# Altium PCB WhiteRHINO_0v1.PcbDoc (part 9 of 10) (continued)
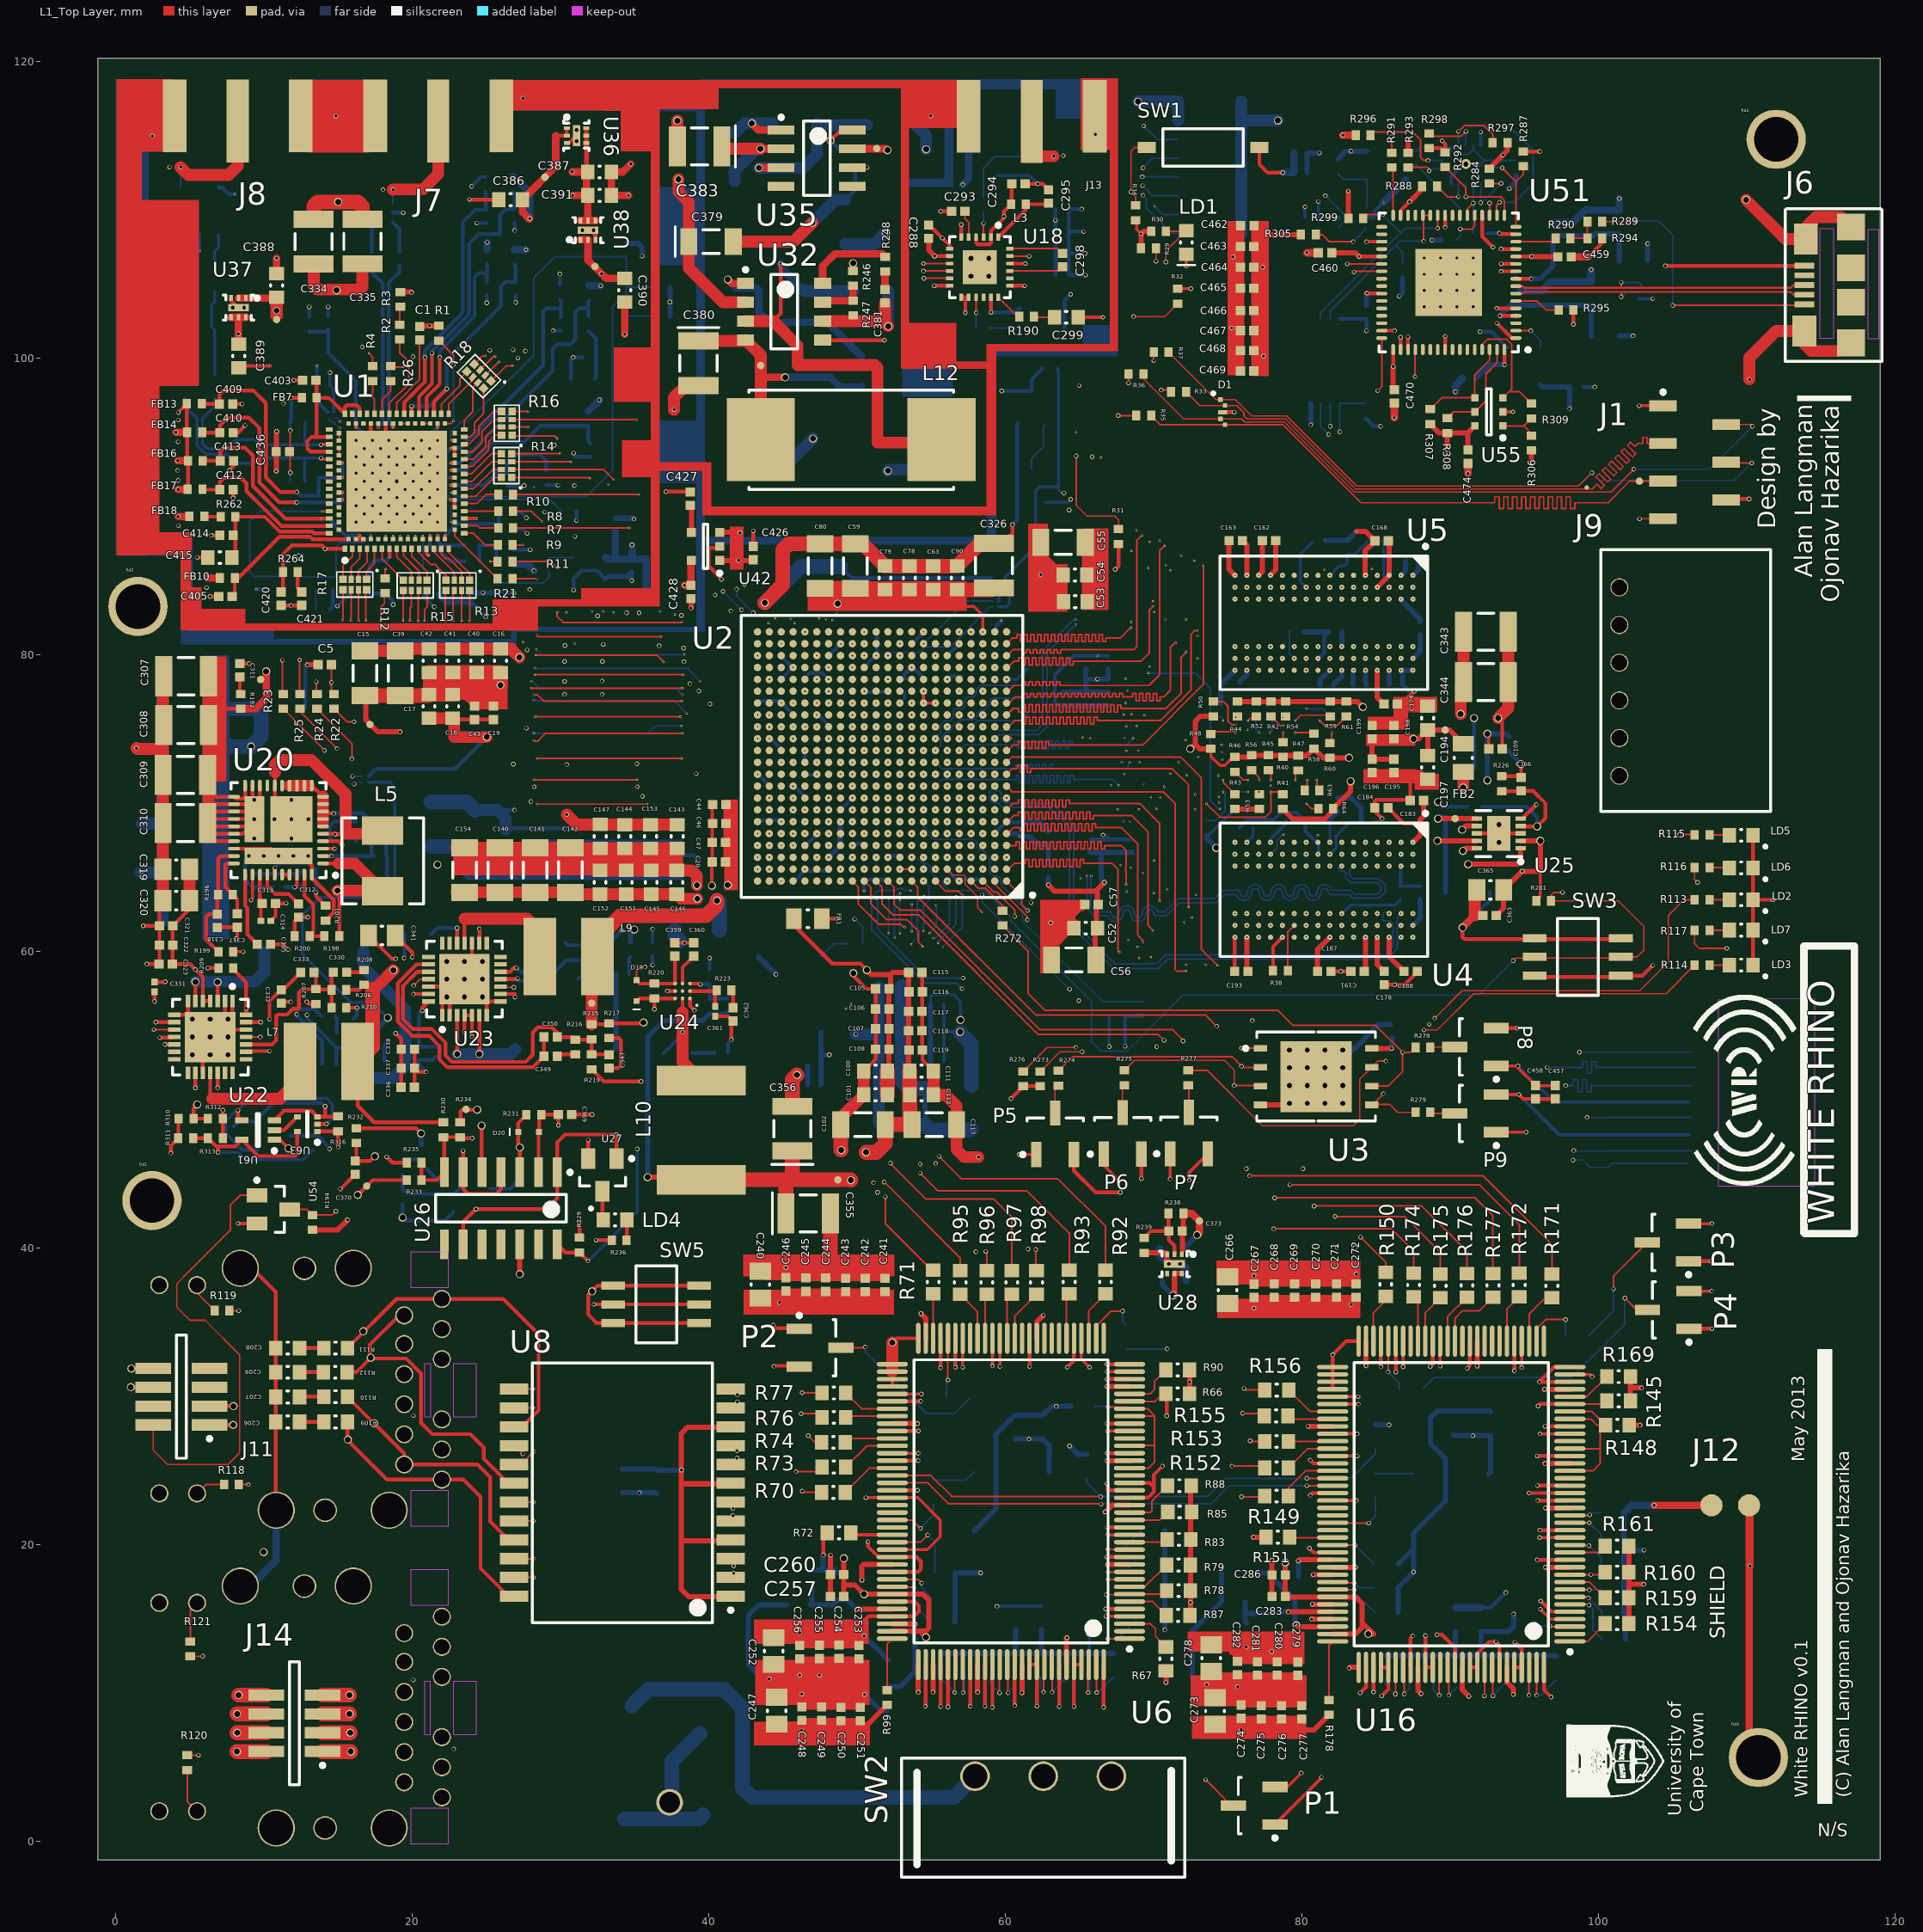
[diagram p0: L1_Top Layer view]
## Nets (pads, with @x,y where several pads share a name; then routed paths per layer and width w, separated by ;. In a path a pad name is that pad's centre, name@x,y a point inside that pad or via, vN(x,y) a via of type N, cw(c..) or ccw(c..) an arc to the next point about the centre after c; other vN are vias at no path point) (continued)
  L1_Top Layer w0.2: v1(44.904,80.704) U2.AA20@44.904,80.714 ; U2.U18@46.504,77.514 v1(46.511,77.514) ; v2(50.613,23.137) U6.83@52.398,23.137 54.113,23.137 55.625,21.625 55.625,20.5 54.762,19.637 U6.90@52.398,19.637 ; U6.77@52.398,26.137 v2(54.138,26.137) ; U6.69@52.398,30.137 v2(54.362,30.137) ; U2.U8@54.504,77.514 v1(54.504,76.714) v1(55.304,76.714) ; C90.2@56.775,84.35 56.775,83.35 56.887,83.238 57.888,83.238 58.504,82.621 v1(58.504,81.514) ; v2(57.148,31.923) U6.58@57.148,33.887 ; v2(59.648,31.977) U6.53@59.648,33.887 ; v2(60.95,46.275) P5.1@62.105,46.275 ; U6.42@65.148,33.887 65.148,32.477 v2(65.7,31.925) ; P6.1@66.655,46.3 66.655,45.545 v2(67.675,44.525) ; v2(66.812,15.137) U6.4@68.398,15.137 ; v2(66.887,31.637) U6.37@68.398,31.637 ; v2(66.912,20.637) U6.15@68.398,20.637 ; v2(66.912,27.637) U6.29@68.398,27.637 ; R34.2@68.875,109.35 68.875,108.65 v2(69.175,108.35) ; v2(71.13,44.63) P7.1@71.13,46.325 ; R32.2@71.65,104.65 v2(72.525,104.65) ; P1.3@78.2,3.645 79.045,3.645 v3(79.975,4.575) ; v2(80.525,19.725) 80.801,19.449 U16.90@82.093,19.449 ; U16.83@82.093,22.949 v2(83.699,22.949) ; U16.77@82.093,25.949 v2(83.749,25.949) ; U16.69@82.093,29.949 v2(83.799,29.949) ; v2(86.843,31.957) U16.58@86.843,33.699 ; v2(89.343,32.007) U16.53@89.343,33.699 ; P9.1@93.125,47.78 v2(95.145,47.78) ; P8.1@93.125,52.255 v2(94.595,52.255) 94.595,52.119 C458.1@95.781,50.933 95.789,50.925 C457.1@97.1,50.925 ; v2(94.843,31.907) U16.42@94.843,33.699 ; R281.2@95.825,63.375 96.1,63.65 v4(96.1,67.425) ; v2(96.049,20.449) U16.15@98.093,20.449 ; v2(96.076,27.449) U16.29@98.093,27.449 ; v2(96.1,15.625) 96.776,14.949 U16.4@98.093,14.949 ; U16.37@98.093,31.449 99.451,31.449 v3(99.6,31.3) ; v2(102.76,96.76) J1.1@104.375,96.76 ; P3.3@106.1,41.62 v3(107.67,41.62) ; P4.3@106.125,37.07 v3(107.645,37.07)
  L1_Top Layer w0.253: v3(95.325,23.45) v3(95.325,23.45) U16.21@98.093,23.449
  L1_Top Layer w0.254: v4(16.35,43.55) 17.35,44.55 R233.1@19.65,44.55 ; R229.2@31.3,40.675 v2(31.3,41.725) ; v2(32.425,40.5) R236.2@33.475,40.5 ; v2(44.4,32) 44.43,32.03 P2.3@46.375,32.03 ; v2(55.25,106.85) U18.8@56.275,106.85 ; v3(66.875,24.096) 66.938,24.033 66.938,23.637 U6.21@68.398,23.637 ; v2@84.425,104.325 U51.42@85.4,104.325 ; U51.50@86.675,100.55 v2(86.675,101.375) ; U51.31@86.675,109.6 86.675,109.916 v2(87.275,110.516) ; U51.56@89.675,100.55 v2(89.675,101.45) ; U51.20@92.175,109.6 92.175,108.175 v2(92.9,107.45)
  L1_Top Layer w0.35: R194.2@13.3,41.2 15,41.2 15.65,41.85 v3(15.65,41.875) ; U42.1@40.75,86.325 v2(42.025,86.325) 43.025,86.325 C426.2@43.075,86.275 ; U42.3@40.75,88.225 42.1,88.225 v2(42.125,88.2) ; U8.1@41.5,16.49 41.475,16.465 38.66,16.465 38.175,16.95 38.175,20.225 ; U8.4@41.5,20.3 41.425,20.225 38.175,20.225 ; U8.7@41.5,24.11 41.465,24.075 38.175,24.075 ; U8.10@41.5,27.92 41.475,27.895 38.595,27.895 38.175,27.475 v2(38.175,25) 38.175,24.075 ; C240.2@43.5,36.6 44.75,36.6 C246.2@45.225,37.075 ; v2(44.775,36.3) 45.2,36.3 45.225,36.275 C246.2@45.225,37.075 ; C241.2@51.9,37.025 51.85,37.075 C246.2@45.225,37.075 ; U2.V11@52.104,78.314 v1(52.104,78.321) ; U2.AA10@52.904,80.714 v1(52.914,80.714) ; C288.1@54.85,108.05 54.85,107.25 v2(55.25,106.85) ; U2.Y7@55.304,79.914 v1(55.311,79.914) ; R29.2@69.175,107.375 v2(69.175,108.35) 69.35,108.525 R30.2@69.85,108.525 ; v2(70.85,10.675) R67.2@70.85,11.475 ; v4(71.325,36.775) 71.425,36.875 U28.5@71.425,38.25 U28.6@71.925,38.25 ; R66.1@72.45,30.15 v2(72.45,30.95) R90.1@72.45,31.75 ; C266.2@75,38.025 76.302,38.025 C267.2@76.791,37.536 ; C469.2@76.775,99.1 76.782,99.107 C464.2@76.782,106.1 ; C464.2@76.775,106.1 C464.2@76.782,106.1 ; C463.2@76.775,107.5 C463.2@76.782,107.5 ; C462.2@76.782,108.905 C463.2@76.782,107.5 ; v2(76.791,38.116) C267.2@76.791,37.536 ; v2(77.375,106.1) C464.2@76.782,106.1 ; 77.6,108.3 R305.2@79.95,108.3 ; R299.2@83.15,109.4 v2(83.15,111.225) ; v3(83.675,38.225) C272.2@83.675,37.55 83.661,37.536 C267.2@76.791,37.536 ; v2(84.4,104.35) v2@84.425,104.325 ; U3.8@84.725,53.43 v8(86.07,53.43) ; R293.2@87.175,113.825 v2(87.175,114.75) ; v2(87.275,110.516) 88.125,111.366 R288.2@88.125,111.55 ; R307.2@88.675,95.525 89.275,94.925 R308.2@89.825,94.925 ; v2(89.825,93.8) R308.2@89.825,94.925 ; v4(90.825,68.175) 91.075,68.425 U25.7@91.825,68.425 ; v4(90.875,66.75) 91.05,66.925 U25.10@91.825,66.925 ; C474.2@91.225,93.775 91.2,93.8 91.2,94.925 ; U55.6@91.675,95.4 91.2,94.925 ; R284.2@92.65,112.75 v2(93.562,113.663) 93.875,113.975 R297.2@93.875,114.5 ; C363.2@93.125,62.4 93.625,62.9 C365.2@93.625,64.125 v2(94.875,65.375) 96.1,65.375 v4(96.1,67.425) U25.2@94.775,67.425 ; v2(95.5,92.925) R306.2@95.5,93.75 ; R154.1@102.075,14.65 R159.1@102.075,16.4 102.075,17.3 ; R161.1@102.075,19.875 R160.1@102.075,18.125 102.075,17.3 ; R145.1@102.175,29.675 102.175,30.55 ; R169.1@102.175,31.3 102.175,30.55 ; v2(102.925,30.55) 102.175,30.55 ; v2(103.075,17.3) 102.075,17.3 ; 38.175,20.225 38.175,24.075 ; C464.2@76.782,106.1 C463.2@76.782,107.5 ; R308.2@89.825,94.925 91.2,94.925
  L1_Top Layer w1: v4(48.712,83.412) 48.712,84.45 C59.2@49.9,84.45 50,84.35 C79.2@51.9,84.35 C78.2@53.55,84.35 C63.2@55.15,84.35 C90.2@56.775,84.35 59.125,84.35 C326.2@59.25,84.475
  L3_Critical w0.254: v3(66.875,24.096) v3@66.896,24.096
  L10_Critical w0.254: v3(14.475,99) 44.325,99 52.175,106.85 v2(55.25,106.85)
  L7_Non-Critical w0.2: v3(14.475,99) 16.325,97.15 30.2,97.15 39.15,88.2 v2(42.125,88.2) ; v1(55.304,76.714) v1(56.904,76.714)
  L7_Non-Critical w0.254: v1(56.104,66.314) 56.593,65.825 58.193,65.825 v1(58.504,65.514)
  L7_Non-Critical w1: v4(16.35,43.55) 16.35,53.475 v4(18.375,55.5)
  L12_Bottom Layer w0.2: v3(14.475,99) C485.2@14.475,98.1 14.725,97.85 U56.A1@14.725,96.325 ; U58.A1@17.075,71.375 C487.2@18.525,71.375 18.835,71.065 18.835,64.148 18.287,63.6 13.805,63.6 12.625,62.42 12.625,59.792 15.892,56.525 17.325,56.525 v4@18.375,55.475 ; v1(52.904,76.714) 53.225,77.035 C96.2@53.225,77.45 ; C83.2@54.975,56.387 54.975,56.925 55.125,57.075 56.525,57.075 57,56.6 v4(57,55.35) ; U57.A1@59.575,83.176 U57.A1@59.575,83.2 60.1,83.2 60.3,83.4 60.3,84.8 C486.2@59.95,85.15 62.05,87.25 62.05,91.033 62.317,91.3 63.6,91.3 ; R250.2@63.525,99.275 63.6,99.2 R249.2@63.6,94.025 63.6,91.3 ; v2(63.975,90.875) 63.8,90.875 63.6,91.075 63.6,91.3 ; v3(65.625,13.925) 65.698,13.852 R101.2@65.698,12.65 ; v2(67.025,53.55) R283.2@67.025,55.6 ; C473.2@81.125,109.5 v3(81.125,110.525) ; v2(94.595,52.255) 97.035,49.815 J5.4@106.1,49.815
  L12_Bottom Layer w0.254: U49.14@92.075,114.35 v2(92.075,115.225)
  L12_Bottom Layer w0.35: R202.2@17.2,53.75 17.2,54.3 v4@18.375,55.475 ; C205.2@34.2,25.075 36.425,25.075 C204.2@36.5,25 v2(38.175,25) ; U48.4@47.575,54.535 47.575,52.925 ; C455.2@47.6,50.975 47.6,52.25 C454.2@47.575,52.275 47.575,52.925 ; v2(48.15,53) 47.65,53 47.575,52.925 ; C89.2@48.9,84.325 48.975,84.25 C70.2@55.475,84.25 ; C64.2@54.6,48.275 C87.2@54.6,50.725 54.975,51.1 C65.2@54.975,52.575 C84.2@54.975,55.12 C83.2@54.975,56.387 ; R104.2@55.773,12.65 R108.2@57.273,12.65 R103.2@59,12.65 R107.2@60.7,12.65 ; C200.2@60.675,27.1 v2(61.613,27.1) C201.1@62.55,27.1 62.988,26.662 62.988,26.075 ; C203.2@60.7,14.225 R107.2@60.7,12.65 ; C202.2@62.45,14.225 62.45,12.7 R102.2@62.4,12.65 ; U7.4@62.988,24.887 62.988,26.075 ; 63.013,26.05 62.988,26.075 ; v2(64.35,26.625) 64.925,26.05 R68.2@65.5,26.05 ; R105.2@67.3,12.65 R101.2@65.698,12.65 R106.2@64.025,12.65 R102.2@62.4,12.65 ; C372.2@70.6,37.775 70.6,37.5 v4(71.325,36.775) ; v2(70.775,14.225) R75.1@70.775,15.2 R81.1@70.775,19.275 R82.1@70.775,20.925 ; C475.2@80.375,112.475 C476.2@80.375,113.8 v2(81.2,113.8) ; v2(80.625,95.475) U52.8@80.625,96.925 ; C473.2@81.125,109.5 81.2,109.425 U53.5@82.45,109.425 ; R304.2@82.475,113.4 83,113.925 v2(83.325,113.925) U21.5@84.4,113.925 ; C471.2@84.375,103.525 84.375,104.325 v2(84.4,104.35) ; R147.2@84.975,28.05 v2(85.9,28.05) ; R183.2@85.65,12.5 R187.2@87.275,12.5 R186.2@90.425,12.5 ; v8(86.07,53.43) 86.07,54.12 C157.2@86.1,54.15 ; v2(86.575,104.15) 86.8,104.375 R300.2@86.8,105.35 ; v2(88.775,107.925) R302.2@89.4,107.925 ; C262.2@90.225,27.375 90.275,27.325 v2(91.55,27.325) C263.1@92.732,27.325 92.732,24.855 U17.4@92.635,24.758 ; C265.2@90.375,14.125 90.375,12.55 R186.2@90.425,12.5 ; R186.2@90.475,12.45 R186.2@90.425,12.5 ; R181.2@92.325,12.45 R181.2@92.275,12.5 ; v2(94,111.4) 94.45,111.85 R303.2@94.45,112.3 ; v2(94.3,15.3) R146.2@94.3,14.45 93.975,14.125 C264.2@92.1,14.125 92.1,12.675 R181.2@92.275,12.5 ; U50.4@96.1,98.155 96.23,98.025 C472.2@98.075,98.025 v3(98.075,96.575) ; R184.2@97.175,12.45 97.125,12.5 R181.2@92.275,12.5 ; FB28.1@101.425,101.475 v2(102.35,101.475) ; FB27.1@103.325,106.525 v2(103.325,107.7) ; R107.2@60.7,12.65 R102.2@62.4,12.65 ; R186.2@90.425,12.5 R181.2@92.275,12.5
  L12_Bottom Layer w1: v4(48.712,83.412) 48.9,83.6 C89.2@48.9,84.325 ; C88.2@53.078,57.584 53.078,52.754 C60.2@53.058,52.734 53.058,51.217 53.55,50.725 C87.2@54.6,50.725 ; C64.2@54.6,48.275 54.925,47.95 C327.2@57.725,47.95
  other v1: 52.904,64.714 50.504,65.514 53.704,67.114 51.304,67.914 54.511,77.514 44.104,78.314 49.704,79.114 57.704,79.114 47.304,79.914 50.504,81.514
  other v2: 77.425,100.1
VCC5V0: C301.2 C302.2 C303.2 C304.2 C306.2 C319.2 C320.2 C321.2 C322.2 C323.2 C324.1 C336.2 C337.2 C338.2 C339.1 C340.2 C341.2 C353.1 C354.2 D19.1 D20.1 D21.1 L5.2 R193.2 R198.2 R220.2 R231.2 R232.2 R237.2 U20.1 U22.4 U22.5 U22.9 U22.16 U22.19 U22.27 U23.4 U23.5 U23.9 U23.16 U23.19 U23.27 U24.A3 U26.3 | length 75.5
  L1_Top Layer w0.254: v2(2.725,55.2) U22.9@3.975,55.2 ; C320.2@5,63.4 5,62.825 C321.2@3.875,61.7 3.85,61.675 C323.2@3.85,59.125 5.025,59.125 v2(5.4,58.75) 5.902,58.248 5.902,56.627 U22.5@5.9,56.625 U22.4@6.4,56.625 ; v2(5.397,50.772) 5.4,50.775 U22.16@5.4,51.775 ; v2(6.9,50.775) U22.19@6.9,51.775 ; U22.27@8.825,55.2 v2(9.8,55.2) ; U20.1@14,65.9 15.05,65.9 ; v4(14.975,64.075) 15.1,63.95 R198.2@15.1,61 ; R232.2@16.25,48.05 20.275,48.05 v4(20.625,47.7) ; C341.2@18.875,61.05 20.025,59.9 v2(20.025,59.575) ; v2(18.9,54.45) 19.275,54.075 C338.2@19.275,53.375 C337.2@19.275,52.1 19.275,50.819 C336.2@19.269,50.813 ; v2(20.1,57.1) U23.27@21.125,57.1 ; U23.19@23.05,60.525 v2(23.05,61.55) ; v2(23.55,54.5) U23.4@23.55,55.675 U23.5@24.05,55.675 v2(24.05,54.225) ; U23.16@24.55,60.525 v2(24.55,61.5) ; U23.9@25.975,57.1 26.95,57.1 v2(26.95,56.875) ; U26.3@27.27,45.075 v4(27.27,46.755) 27.175,46.85 D20.1@27.175,47.8 27.175,48.4 R231.2@27.725,48.95 ; D19.1@35.15,56.625 35.325,56.8 R220.2@36.35,56.8 ; v2(36.35,56.075) R220.2@36.35,56.8 ; U24.A3@37.75,56.8 R220.2@36.35,56.8
  L1_Top Layer w0.8: C320.2@5,63.4 C320.2@5,63.4 C319.2@5.001,65.498 ; v4(14.975,64.075) L5.2@17.975,64.075 ; 15.05,65.9 16.15,65.9 L5.2@17.975,64.075 ; L5.2@18.025,64.025 L5.2@17.975,64.075
  L12_Bottom Layer w0.254: v4@14.975,64.05 18.275,64.05 18.325,64.1 C306.2@18.325,66.4 18.275,66.45 R193.2@18.275,67.575 ; C340.2@21.3,61.15 21.7,61.55 v2(23.05,61.55) ; D21.1@25.275,43.975 26.625,43.975 27.27,44.62 v4(27.27,46.755) ; C354.2@36.225,60.575 v2(36.225,61.475)
  L12_Bottom Layer w0.35: R237.2@20.625,46.95 v4(20.625,47.7)
  L12_Bottom Layer w1: C303.2@6.175,75.3 7.7,73.775 v4(9.15,73.775) 9.825,74.45 C353.1@9.825,76.325 7.25,76.325
VCC_1V8_LM: C386.2 FB8.2 FB9.2 FB10.2 FB11.2 FB15.2 pad.@28.975,112.175 U36.1 U36.2 | length 15.6
  L1_Top Layer w0.254: 29.7,114.975 U36.2@30.45,114.975 U36.1@30.45,115.475
  L1_Top Layer w0.5: v2(6.175,85.15) FB10.2@7.05,85.15 ; v3(27.95,109.375) 27.925,109.35 27.45,109.825 C386.2@27.45,110.65 29.7,112.9 29.7,114.975
  L12_Bottom Layer w0.5: FB15.2@26.8,112.175 26.895,112.175 27.95,111.12 v3(27.95,109.375) ; FB9.2@26.9,86.075 27.8,86.075 v2(28.225,85.65) ; FB11.2@26.925,107.275 v2(27.7,107.275) ; FB8.2@31.9,96.4 v2(32.65,97.15)
VCC_1V8_RXLO_LM: C390.2 FB20.1 pad.@32.35,106.15 U38.1 U38.2 | length 5.6
  L1_Top Layer w0.5: U38.1@31.375,107.95 U38.2@31.875,107.95 31.875,106.575 v2(32.775,105.675) 33.1,105.35 C390.2@34.35,105.35
  L12_Bottom Layer w0.5: FB20.1@31.95,104.85 v2(32.725,104.85)
VCC_1V8_TXLO_LM: C388.2 FB18.2 pad.@10.875,102.575 U37.1 U37.2 | length 4.2
  L1_Top Layer w0.5: v2(4.25,89.3) FB18.2@5,89.3 ; U37.2@8.306,104.025 U37.1@8.806,104.025 C388.2@10.875,104.025 ; v13(10.875,103.175) C388.2@10.875,104.025 ; C388.2@10.875,104.075 C388.2@10.875,104.025
VCC_2V8_TCXO: C428.2 C429.2 C432.2 U42.5 U43.6 U44.6 | length 25.1
  L1_Top Layer w0.5: v2(38.375,84.65) C428.2@38.825,84.65 38.825,86.3 U42.5@38.85,86.325
  L7_Non-Critical w0.5: v2(34.85,87.375) 35.3,87.375 38.025,84.65 v2(38.375,84.65)
  L12_Bottom Layer w0.3: U43.6@25.925,83.5 35.8,83.5
  L12_Bottom Layer w0.5: U44.6@33.05,86.538 33.163,86.425 C432.2@34.825,86.425 ; 33.7,86.5 33.725,86.525 C429.2@33.725,88.275 ; v2(34.85,87.375) 34.85,86.45 C432.2@34.825,86.425 ; 35.8,83.5 35.8,86.425 C432.2@34.825,86.425
VCC_3V3_LM: C289.2 C290.2 C291.2 C292.1 C294.1 C384.1 C387.2 C389.2 C391.2 C420.2 C436.2 FB7.2 FB12.2 FB13.2 FB14.2 FB16.2 FB17.2 FB19.2 FB21.2 FB22.2 FB23.2 FB24.2 L3.1 L13.2 L14.2 L15.2 pad.@51.35,114.1 R5.2 R6.2 R264.2 R265.1 U1.1 U1.12 U1.18 U18.2 U18.4 U18.17 U18.22 U19.4 U35.7 U36.4 U36.5 U36.6 U37.4 U37.5 U37.6 U38.4 U38.5 U38.6 | length 103.7
  L1_Top Layer w0.115: v2(11.8,92.25) 11.8,93.625 C436.2@11.75,93.675 11.8,93.725 11.8,94.725 v2(11.8,95.1)
  L1_Top Layer w0.254: v2(4.25,96.3) 4.25,96.325 FB13.2@4.825,96.9 4.825,95 FB14.2@4.85,94.975 4.85,93.1 FB16.2@4.9,93.05 4.9,91.15 FB17.2@4.875,91.125 ; C420.2@11.175,84.2 11.3,84.325 R264.2@11.3,85.55 11.3,86.75 11.9,87.35 13.912,87.35 v2(14.15,87.112) U1.1@15.481,87.112 ; v2(11.85,97.3) FB7.2@12.575,97.3 ; U1.12@20.981,87.112 20.981,86.794 v1(21.1,86.675) ; U1.18@23.531,89.162 v1(24.313,89.162) ; U18.4@58.05,108.125 58.05,107.75 58.152,107.648 58.973,107.648 59.05,107.725 U18.2@59.05,108.125 59.05,108.55 59.925,109.425 v2(59.925,109.525) 59.925,109.875 L3.1@60.4,110.35 60.45,110.4 C294.1@60.45,111.725 ; v2(59.05,103.05) U18.17@59.05,104.075 ; U18.22@60.325,106.35 v2(61.375,106.35)
  L1_Top Layer w0.3: U36.4@31.75,114.475 U36.5@31.75,114.975 U36.6@31.75,115.475 ; C387.2@31.775,112.525 31.775,114.325
  L1_Top Layer w0.5: v2(4.1,94.975) FB14.2@4.85,94.975 ; v2(4.2,93.05) FB16.2@4.9,93.05 ; v2(4.225,91.125) FB17.2@4.875,91.125 ; U37.4@7.806,102.725 U37.5@8.306,102.725 ; C389.2@8.325,100.925 8.306,100.944 v2(8.306,101.606) U37.5@8.306,102.725 ; U37.6@8.806,102.725 U37.5@8.306,102.725 ; v2(30.825,112.525) C387.2@31.775,112.525 ; v2(30.85,110.95) C391.2@31.85,110.95 ; U38.6@31.375,109.25 U38.5@31.875,109.25 ; C387.2@31.85,112.525 C387.2@31.775,112.525 ; U38.4@32.375,109.25 U38.5@31.875,109.25 ; U35.7@49.7,114.085 51.99,114.085 v4(52.075,114) ; C387.2@31.775,112.525 31.775,111.025 C391.2@31.85,110.95 ; C391.2@31.85,110.95 31.85,109.275 U38.5@31.875,109.25
  L7_Non-Critical w0.254: v2(11.85,97.3) 11.648,97.502 11.648,101.998 v2(13.075,103.425)
  L7_Non-Critical w0.8: v4(52.075,114) 52.075,108.55 v4(51.95,108.425) 49.05,108.425 48.975,108.35 48.975,95.5 v4(52.1,92.375)
  L12_Bottom Layer w0.115: L14.2@11.8,91.675 v2(11.8,92.25) ; v2(11.8,95.1) L15.2@11.8,95.675
  L12_Bottom Layer w0.254: L15.2@11.8,95.675 11.85,95.725 v2(11.85,97.3) ; FB12.2@13.075,102.75 v2(13.075,103.425) ; FB24.2@17.125,84.1 R5.2@18.2,84.1 18.725,83.575 v2(18.725,83.35) ; v2(24.025,111.55) 24.65,112.175 FB23.2@24.95,112.175 ; FB22.2@26.85,88.45 27.475,88.45 v2(27.775,88.15) ; FB21.2@29.05,91.4 v2(29.85,91.4) ; FB19.2@29.975,104.9 v2(29.975,105.65) ; v2(31.1,89.025) R6.2@31.1,89.65 ; v2(59.05,103.05) 60.69,103.05 U19.4@60.985,103.345 ; v2(65.175,110.025) C292.1@64.3,110.025 C291.2@64.3,108.5 ; v2(65.3,108.5) C291.2@64.3,108.5 ; v2(65.4,107.025) C290.2@64.3,107.025 ; v2(65.425,105.575) C289.2@64.3,105.575 C290.2@64.3,107.025 ; C290.2@64.3,107.025 C291.2@64.3,108.5
  L12_Bottom Layer w0.5: R265.1@25.075,107.275 v2(25.075,107.775)
  L12_Bottom Layer w0.8: C384.1@49.225,107.65 51.175,107.65 v4(51.95,108.425) ; v4(52.1,92.375) 52.175,92.45 L13.2@55.75,92.45
VCC_6V0_SG: C380.1 C383.1 D25.2 D27.2 J10.7 J10.8 L12.2 pad.@43.525,99.475 R246.2 U32.4 U35.2 | length 29.1
  L1_Top Layer w0.5: v4(43.5,114.085) U35.2@44.9,114.085 ; 43.525,98.825 43.675,98.675 v4(45.175,98.675) ; R246.2@49.75,105.85 v4(49.75,106.375)
  L1_Top Layer w0.8: C380.1@39.325,101.125 42.43,101.125 U32.4@42.5,101.195 43.525,100.17 43.525,98.825 L12.2@43.525,94.475 ; C383.1@40.9,114.25 41.065,114.085 v4(43.5,114.085)
  L12_Bottom Layer w0.5: v4(45.175,98.675) 48.225,98.675 48.9,98 50.25,98 D25.2@50.325,98.075
  L12_Bottom Layer w0.8: D27.2@41.75,111.91 41.75,112.6 43.235,114.085 v4(43.5,114.085) ; v9(68.97,117.27) J10.8@71.675,117.27 J10.7@71.675,116
VCC_PLL: C156.2 FB1.1 U2.H10 | length 11.1
  L1_Top Layer w0.254: FB1.1@47.65,62.175 v2(48.65,62.175)
  L7_Non-Critical w0.163: v2(48.65,62.175) 48.65,63.297 50.875,65.522 50.875,67.122 51.661,67.908 51.661,69.433 52.541,70.314 v1(52.904,70.314)
VMODE_0: R273.1 U2.D5 | length 21.3
  L1_Top Layer w0.1: R273.1@62.375,51.875 63.7,53.2 v2(65.2,53.2)
  L4_Critical w0.1: v2(61.75,63.25) 62.225,62.775 62.225,59.975 64.975,57.225 v2(64.975,56.65)
  L10_Critical w0.1: v2(64.975,56.65) 65.2,56.425 v2(65.2,53.2)
  L9_Critical w0.1: v1(56.904,67.114) 57.244,67.114 61.108,63.25 v2(61.75,63.25)
VMODE_1: R276.1 U2.E5 | length 23
  L1_Top Layer w0.1: R276.1@61.225,51.875 62.85,53.5 v2(64.775,53.5)
  L10_Critical w0.1: v1(56.904,67.914) 57.275,67.543 57.275,66.95 57.525,66.7 58.75,66.7 58.9,66.55 58.9,64.25 v2(58.45,63.8) ; v2(64.35,57.425) 64.35,56.65 64.775,56.225 v2(64.775,53.5)
  L12_Bottom Layer w0.1: v2(58.45,63.8) 58.45,63.325 v2(64.35,57.425)
VREF_3V0: D22.3 R227.2 R237.1 | length 3.3
  L12_Bottom Layer w0.254: R227.2@19.375,45.9 19.425,45.95 R237.1@20.625,45.95 20.625,45.675 D22.3@21.85,44.45
VU_12V0: C307.2 C308.2 C309.2 C310.2 C379.1 pad.@9.8,78.3 R192.1 R310.2 R311.2 SW2.2 U20.18 U20.19 U20.20 U20.21 U20.22 U20.23 U20.24 U20.25 U20.26 U20.27 U20.42 U32.2 | length 115.8
  L1_Top Layer w0.254: v2(3.75,46.375) 3.75,46.875 R311.2@4.25,47.375 4.25,48.675 R310.2@4.275,48.7 ; C310.2@6.225,68.625 6.45,68.4 U20.25@8,68.4 8.89,68.4 v11(9.375,68.885) ; C310.2@6.275,69.9 U20.22@8,69.9 8.675,69.9 U20.42@9.175,69.4 ; 6.35,70.4 U20.21@8,70.4 8.125,70.275 8.75,70.275 U20.20@8.75,71.15 ; C310.2@6.425,68.9 U20.24@8,68.9 9.36,68.9 v11(9.375,68.885) ; C310.2@6.45,69.4 U20.23@8,69.4 U20.42@9.175,69.4 ; C310.2@6.525,67.9 U20.26@8,67.9 8.6,67.9 9.375,68.675 v11(9.375,68.885) ; C310.2@6.6,67.4 U20.27@8,67.4 ; 6.85,76.325 R192.1@8.45,76.325 ; U20.19@9.25,71.15 U20.42@9.25,69.325 ; U20.18@9.75,71.15 9.75,69.26 v11(9.375,68.885) ; U20.42@9.175,69.4 U20.42@9.25,69.325 ; U20.42@9.25,69.325 9.375,69.2 v11(9.375,68.885)
  L1_Top Layer w0.5: R192.1@8.45,76.325 9.475,76.325 10.175,77.025 v9(10.175,78.85)
  L1_Top Layer w0.8: C310.2@6.275,68.75 C307.2@6.275,78.525 ; v4(37.975,112.025) 37.975,111.175 38.675,110.475 C379.1@38.675,107.825 38.675,106.025 40.965,103.735 U32.2@42.5,103.735
  L7_Non-Critical w1: v4(10,19.475) 23.872,19.475 41.204,2.142 60.767,2.142 62.985,4.36 SW2.2@62.575,4.36 SW2.2@62.3,4.36
  other v11: 9.375,67.585 9.375,70.185
VU_12V0_POE: J14.1 J14.3 J14.5 J14.7 SW2.1 | length 78.4
  L1_Top Layer w1: J14.1@13.975,6.02 v9(15.88,6.02) ; J14.3@13.975,7.29 v9(15.835,7.29) ; J14.5@13.975,8.56 v9(15.79,8.56) ; J14.7@13.975,9.83 v9(15.795,9.83)
  L10_Critical w1: v9(15.88,6.02) 15.88,9.745 v9(15.795,9.83) 15.795,13.07 18.8,16.075 18.8,18.875 19.475,19.55 23.85,19.55 41.325,2.075 64.89,2.075 SW2.1@67.175,4.36
pads on no net: D22.2 D29.1 D29.4 fid1.1 fid2.1 fid4.1 J2. J3. J5.9 J5.10 J6. J6.4 J11.4 J11.5 J11.7 U1.42 U1.53 U1.55 U1.65 U1.77 U1.88 U1.93 U2.A16 U2.A17 U2.A18 U2.A19 U2.A21 U2.A22 U2.AA4 U2.AA6 U2.AA7 U2.AA9 U2.AA11 U2.AA12 U2.AA16 U2.AA17 U2.AA18 U2.AA19 U2.AA21 U2.AA22 U2.AB1 U2.AB2 U2.AB6 U2.AB7 U2.AB9 U2.AB10 U2.AB11 U2.AB12 U2.AB14 U2.AB15 U2.AB16 U2.AB17 U2.AB19 U2.AB20 U2.AB21 U2.AB22 U2.B16 U2.B17 U2.B19 U2.B20 U2.C15 U2.C18 U2.C19 U2.C20 U2.D15 U2.D17 U2.D18 U2.E15 U2.F17 U2.F21 U2.F22 U2.G15 U2.G20 U2.G22 U2.H15 U2.H17 U2.H18 U2.H20 U2.H22 U2.J16 U2.J17 U2.J18 U2.J20 U2.J21 U2.J22 U2.K16 U2.K18 U2.K19 U2.K20 U2.K21 U2.L16 U2.L18 U2.L21 U2.L22 U2.M15 U2.M16 U2.M17 U2.M19 U2.M20 U2.M21 U2.M22 U2.N17 U2.N18 U2.N20 U2.P15 U2.P16 U2.R6 U2.R7 U2.R12 U2.R15 U2.R16 U2.R18 U2.R19 U2.T4 U2.T6 U2.T18 U2.T21 U2.T22 U2.U4 U2.U6 U2.U7 U2.U9 U2.U10 U2.U11 U2.U12 U2.U14 U2.U17 U2.U19 U2.U20 U2.U21 U2.U22 U2.V4 U2.V5 U2.V7 U2.V8 U2.V9 U2.V10 U2.V12 U2.V13 U2.V14 U2.V15 U2.V18 U2.V19 U2.V20 U2.V22 U2.W5 U2.W6 U2.W7 U2.W8 U2.W10 U2.W11 U2.W12 U2.W13 U2.W15 U2.W17 U2.W18 U2.W20 U2.W21 U2.W22 U2.Y4 U2.Y5 U2.Y6 U2.Y8 U2.Y9 U2.Y15 U2.Y16 U2.Y18 U2.Y19 U2.Y20 U2.Y21 U4.F1 U4.J1 U4.J9 U4.L1 U4.L9 U4.M7 U4.N9 U5.F1 U5.J1 U5.J9 U5.L1 U5.L9 U5.M7 U5.N9 U6.2 U6.23 U6.28 U6.39 U6.45 U6.46 U6.47 U6.50 U6.57 U6.84 U6.85 U6.87 U7.1 U16.2 U16.23 U16.28 U16.39 U16.45 U16.46 U16.47 U16.50 U16.57 U16.84 U16.85 U16.87 U17.1 U18.16 U18.20 U20.17 U22.13 U22.14 U22.15 U22.20 U22.21 U22.22 U23.13 U23.14 U23.15 U23.20 U23.21 U23.22 U24.B2 U26.8 U26.10 U26.11 U26.13 U28.4 U35.4 U35.5 U40.5 U40.6 U44.2 U44.5 U46.5 U48.1 U50.1 U51.3 U51.23 U51.24 U51.29 U51.30 U51.33 U51.34 U51.36 U51.40 U51.41 U51.43 U51.44 U51.45 U51.46 U51.53 U51.54 U51.55 U51.57 U51.58 U51.59 U51.60 U52.1
copper on no net:
  other v2: 6.15,84.5 4.25,88.675 4.225,91.725 4.2,92.4 4.225,94.325 4.25,95.8 11.35,96.925 63.925,113.625
  other v3: 18.05,111.33 3.65,112.85

## Polygon pours and split planes (outlines as drawn)
A_VCC2V5 on L7_Non-Critical "A_VCC2V5_Pour" (solid, remove dead copper, pour order 4): 70.575,43.775 70.625,43.725 79.25,43.725 79.25,28.875 89,19.125 89,9.25 45,9.25 44.85,9.4 44.85,22.025 44.85,22.1 51.25,28.5 52.3,29.55 63.875,29.55 63.875,43.575 63.7,43.75 63.75,43.8 70.675,43.8
VCC1V5 on L7_Non-Critical "VCC1V5_Pour" (solid, remove dead copper, pour order 6): 32.725,63.525 43.75,63.525 46.45,60.825 64.95,60.825 64.95,89.2 65.175,89.425 65.375,89.625 95.625,89.625 95.625,62.175 90.85,57.4 90.525,57.075 32.625,57.075 32.625,63.325 32.825,63.525
VCC_6V0_SG on L7_Non-Critical "VCC_6V0_SG_Pour" (solid, remove dead copper, pour order 5): 70.05,117.85 69.95,117.75 42.525,117.75 42.525,113.925 42.9,113.55 42.925,113.525 45.85,113.525 49.675,113.525 51.05,114.9 52.225,116.075 69.95,116.075 69.95,117.75
GND on Top Solder "Bottom Layer-Ground" (solid): 3.125,118.825 -0.025,118.825 -0.025,86.8 4.175,86.8 4.3,86.675 4.425,86.55 4.425,81.65 28.325,81.65 28.375,81.6 28.375,83.275 36.75,83.275 36.825,83.2 36.7,83.325 36.7,118.75 26.9,118.75 26.9,116.775 34.1,116.775 34.1,113.925 36.075,113.925 36.1,113.9 36.075,113.875 36.075,100.675 33.65,100.675 33.625,100.65 33.625,97.025 36.075,97.025 36.075,94.425 34.2,94.425 34.175,94.4 34.15,94.375 34.15,91.95 36.075,91.95 36.125,92 36.075,91.95 36.075,84.475 31.425,84.475 31.375,84.425 31.375,83.725 25.5,83.725 25.45,83.675 25.45,82.05 8.75,82.05 8.775,82.075 8.775,83.075 5.825,83.075 5.8,83.1 5.825,83.125 5.825,84.5 5.075,84.5 5.125,84.55 5.125,88.225 3.025,88.225 3,88.25 2.975,88.275 2.975,98.1 5.65,98.1 5.65,110.675 1.825,110.675 1.825,113.85 3.125,113.85 3.1,113.875 3.1,118.825
GND on Top Solder "Bottom Layer-Ground" (solid): 36.7,118.75 56.7,118.75 56.725,118.775 56.75,118.75 56.75,115.45 53.575,115.45 53.525,115.5 53.525,102.325 56.675,102.325 56.7,102.3 56.7,99.75 59.35,99.75 59.375,99.725 59.4,99.7 59.4,89.325 39.575,89.325 39.55,89.35 39.575,89.375 39.575,92.375 36.725,92.375 36.7,92.35 36.7,92.95 40.2,92.95 40.2,89.975 58.75,89.975 58.75,99.225 53,99.225 52.975,99.25 52.975,112.125 52.975,118.2 52.95,118.175 40.675,118.175 40.675,116.775 40.7,116.75 40.675,116.775 36.7,116.775 36.7,118.75
GND on Top Solder "Bottom Layer-Ground" (solid): 66.925,118.85 67.625,118.85 67.625,100.4 59.375,100.4 59.375,99.775 59.35,99.75 59.325,99.775 58.775,99.775 58.775,100.85 58.75,100.875 58.8,100.925 67.05,100.925 67.05,113.825 66.95,113.925 66.95,118.85
GND on Top Solder "Bottom Layer-Ground" (solid): 13.375,118.75 16.575,118.75 16.6,118.725 16.625,118.7 16.625,113.825 13.35,113.825 13.375,113.85 13.375,118.725
GND on Bottom Solder "Bottom Layer-Ground" (solid): 0,118.8 3.1,118.8 3.1,113.825 2.225,113.825 2.2,113.85 2.225,113.825 2.225,110.6 2.625,110.6 2.725,110.5 2.725,88.05 5.125,88.05 5.15,88.025 5.15,81.8 10.675,81.8 10.675,81.05 26.7,81.05 26.725,81.075 26.675,81.125 26.675,81.85 39.075,81.85 39.225,82 39.25,82.025 39.25,91.5 36.5,91.5 36.475,91.475 36.45,91.5 36.45,95.775 39.2,95.775 39.15,95.825 39.15,106.2 36.2,106.2 36.15,106.25 36.175,106.275 36.175,111.475 39.15,111.475 39.2,111.425 39.2,116.65 26.875,116.65 26.85,116.675 26.775,116.75 26.775,118.8 39.725,118.8 39.775,118.75 39.775,81.45 27.05,81.45 27.025,81.425 27.025,80.725 27.025,80.675 4.4,80.675 4.4,86.625 4.375,86.65 0.025,86.65 0.025,118.8
GND on Bottom Solder "Bottom Layer-Ground" (solid): 39.75,87.4 59.425,87.4 59.425,99.75 59.45,99.775 59.4,99.725 56.5,99.725 56.5,101.55 56.55,101.6 56.45,101.5 53.525,101.5 53.525,111.425 53.575,111.475 53.6,111.5 56.5,111.5 56.5,113.625 56.675,113.8 56.65,113.825 56.65,118.8 39.725,118.8 39.675,118.75 39.675,118.175 54.2,118.175 54.225,118.15 54.225,116.9 55.875,116.9 55.9,116.875 55.9,112.075 52.95,112.075 52.975,112.05 52.975,100.225 52.975,97.375 53,97.35 56.45,97.35 56.45,99.275 58.75,99.275 58.75,87.9 39.75,87.9 39.75,87.4
GND on Bottom Solder "Bottom Layer-Ground" (solid): 58.75,99.75 58.75,100.6 65.225,100.6 65.25,100.575 65.25,102.175 67.05,102.175 67.075,102.15 67.1,102.175 67.1,113.575 67.1,113.675 66.95,113.825 66.9,113.875 66.9,118.875 67.6,118.875 67.625,118.85 67.625,100.1 59.45,100.1 59.4,100.05 59.4,99.725 58.75,99.725
GND on L2_GND (split plane): 66.823,118.822 66.823,113.767 66.804,118.83
GND on L2_GND (split plane): 66.458,113.402 63.775,113.402 63.736,113.394 63.759,113.417 66.473,113.417
GND on L2_GND (split plane): 59.997,113.147 59.964,113.169 59.925,113.177 59.967,113.177
GND on L2_GND (split plane): 55.992,113.402 55.977,113.417 55.977,118.547 55.978,118.547
GND on L2_GND (split plane): 27.998,118.825 28.006,118.76 28.032,118.699 28.072,118.647 28.124,118.607 28.148,118.597 28.148,112.927 24.1,112.927 24.061,112.919 24.028,112.897 21.483,110.352 17.042,110.352 15.722,111.672 15.689,111.694 15.65,111.702 0.495,111.702 0.494,111.715 0.468,111.776 0.428,111.828 0.376,111.868 0.315,111.894 0.307,111.895 15.925,111.775 17.15,110.55 21.325,110.55 24,113.225 27.825,113.225 27.825,118.8 27.731,119.69 27.998,119.69